# Altium PCB SNES TST.PcbDoc (part 2 of 3) (continued)
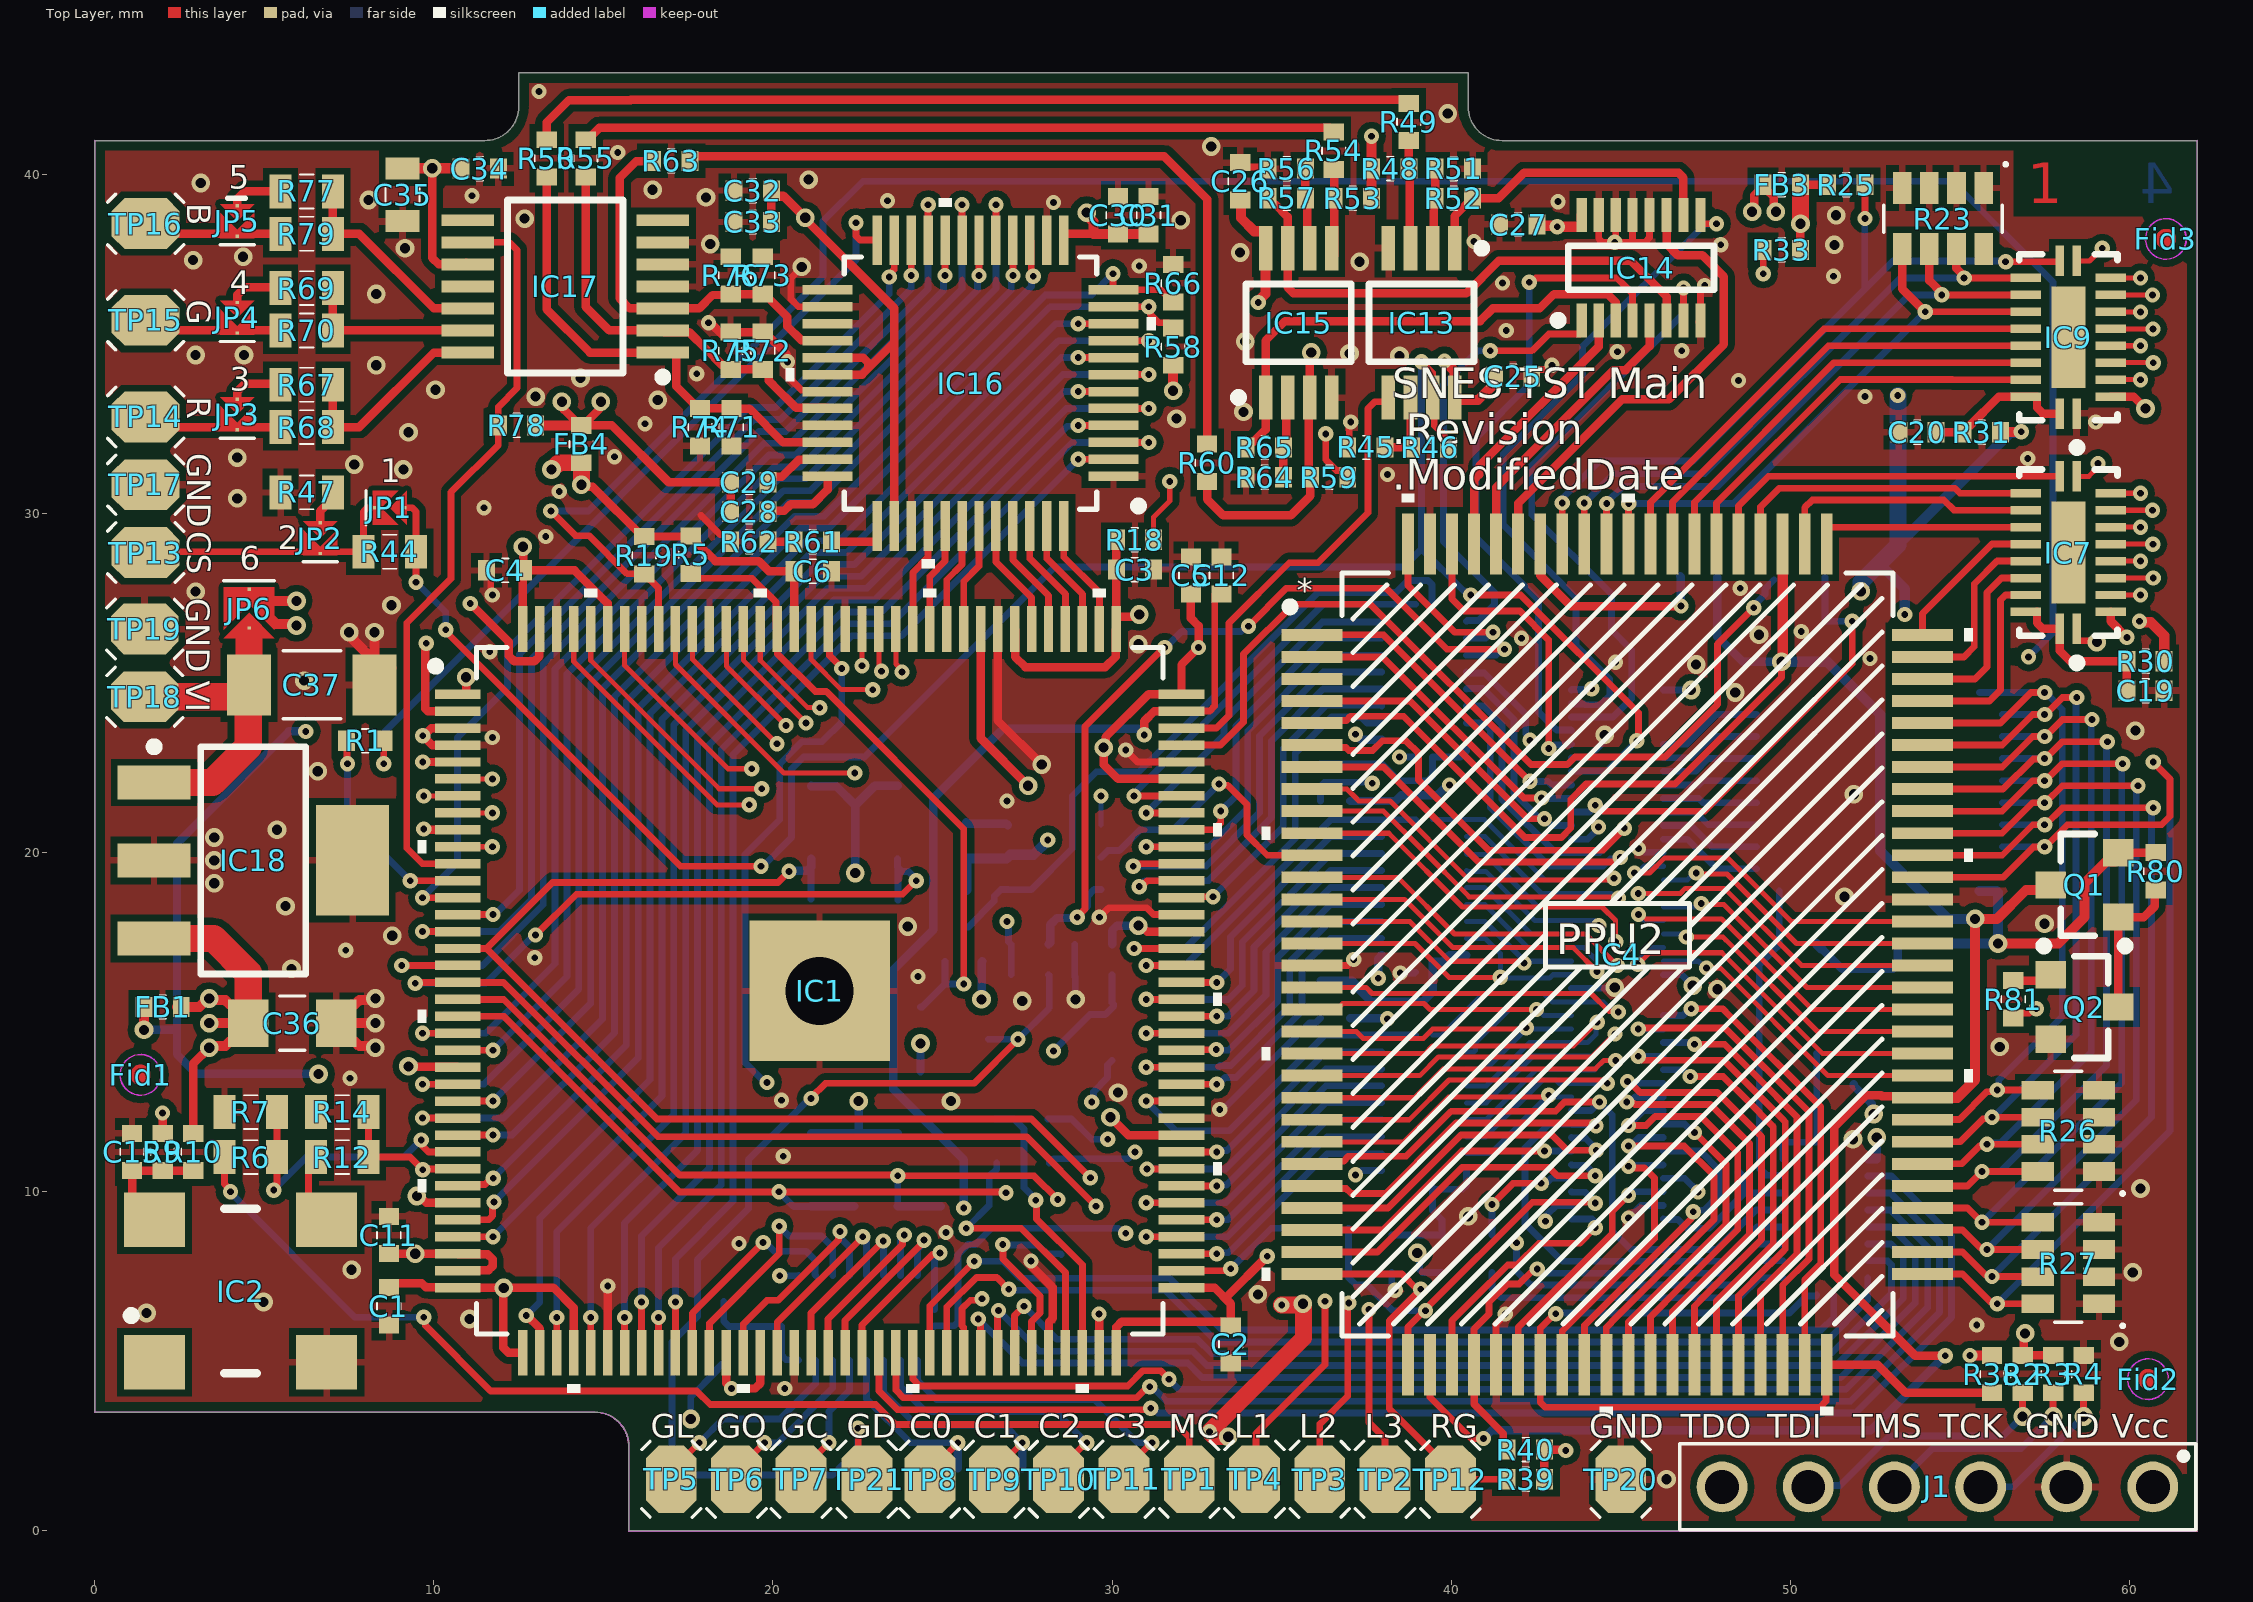
[diagram p0: Top Layer view]
## Nets (pads, with @x,y where several pads share a name; then routed paths per layer and width w, separated by ;. In a path a pad name is that pad's centre, name@x,y a point inside that pad or via, vN(x,y) a via of type N, cw(c..) or ccw(c..) an arc to the next point about the centre after c; other vN are vias at no path point) (continued)
  Bottom Layer w0.2: IC10.15@40.45,25.325 40.475,25.3 40.975,25.3 42.2,24.075 42.2,23.506 42.325,23.381 v1(42.325,23.313) ; v1(45.225,9.9) 45.293,9.9 45.393,10 J2.75@46.255,10
GAMP: IC14.6 IC15.7 R57.1 | length 15.6
  Top Layer w0.25: R57.1@34.65,39.275 34.65,39.25 34.775,39.125 34.8,39.125 35.175,38.75 35.175,36.671 35.346,36.5 40.45,36.5 41.4,37.45 45.3,37.45 46.35,36.4 IC14.6@46.35,35.752
GDAC: IC16.32 IC17.2 R55.2 R72.2 R75.2 | length 12.3
  Top Layer w0.25: R55.2@14.475,39.925 14.475,36.098 15.173,35.4 IC17.2@16.75,35.4 16.8,35.35 17.53,35.35 18.025,34.855 18.505,34.375 18.575,34.375 18.675,34.275 R75.2@18.675,34.205 ; R75.2@18.75,34.25 19.794,34.25 19.875,34.169 19.875,33.924 19.99,33.809 20.684,33.115 21.594,33.115 IC16.32@21.609,33.1
GDIG1: IC1.46 IC16.2 | length 33.2
  Top Layer w0.2: IC1.46@17.125,5.253 v1(17.125,6.75) ; v1(29,31.6) IC16.2@30.041,31.6
  Bottom Layer w0.2: v1(17.125,6.75) 17.125,8.025 18.825,9.725 18.825,22.9 22.325,26.4 23.8,26.4 v1(29,31.6)
GDIG2: IC1.45 IC16.3 | length 36
  Top Layer w0.2: IC1.45@16.625,5.253 v1(16.625,6.295) ; IC16.3@30.041,32.1 v1(31.083,32.1)
  Bottom Layer w0.2: v1(16.625,6.295) 16.625,8.35 18.475,10.2 18.475,21.75 18.475,23.045 22.18,26.75 23.475,26.75 28.825,32.1 v1(31.083,32.1)
GDIG3: IC1.44 IC16.4 | length 34.6
  Top Layer w0.2: IC1.44@16.125,5.253 v1(16.125,6.75) ; v1(29,32.6) IC16.4@30.041,32.6
  Bottom Layer w0.2: v1(16.125,6.75) 16.125,8.7 18.125,10.7 18.125,22.025 18.125,23.19 22.035,27.1 23.2,27.1 28.679,32.579 28.979,32.579 v1(29,32.6)
GDIG4: IC1.43 IC16.5 | length 37.4
  Top Layer w0.2: IC1.43@15.625,5.253 v1(15.625,6.295) ; IC16.5@30.041,33.1 v1(31.083,33.1)
  Bottom Layer w0.2: v1(15.625,6.295) 15.625,9.075 17.775,11.225 17.775,23.425 21.8,27.45 23,27.45 28.65,33.1 v1(31.083,33.1)
GDIG5: IC1.41 IC16.6 | length 36.3
  Top Layer w0.2: IC1.41@14.625,5.253 v1(14.625,6.295) ; v1(29,33.6) IC16.6@30.041,33.6
  Bottom Layer w0.2: v1(14.625,6.295) 14.625,8.925 17.425,11.725 17.425,23.6 21.625,27.8 22.775,27.8 28.575,33.6 v1(29,33.6)
GDIG6: IC1.39 IC16.7 | length 39.3
  Top Layer w0.2: IC1.39@13.625,5.253 v1(13.625,6.295) ; IC16.7@30.041,34.1 v1(31.083,34.1)
  Bottom Layer w0.2: v1(13.625,6.295) 13.625,8.825 17.075,12.275 17.075,22.625 17.075,23.775 21.45,28.15 22.6,28.15 28.55,34.1 v1(31.083,34.1)
GDIG7: IC1.38 IC16.8 | length 38.2
  Top Layer w0.2: v1(29,34.6) IC16.8@30.041,34.6
  Top Layer w0.25: v1@12.725,6.365 13.125,5.965 IC1.38@13.125,5.253
  Bottom Layer w0.2: v1(12.725,6.35) 13.125,6.75 13.125,9.225 16.725,12.825 16.725,22.825 16.725,23.925 21.3,28.5 22.4,28.5 28.5,34.6 v1(29,34.6)
GDIG8: IC1.33 IC16.9 | length 38.7
  Top Layer w0.2: IC1.33@10.703,8.675 v1(11.745,8.675) ; IC16.9@30.041,35.1 v1(31.083,35.1)
  Bottom Layer w0.2: v1(11.745,8.675) 16.375,13.305 16.375,14.035 16.375,23.05 16.375,24.105 21.12,28.85 22.175,28.85 28.425,35.1 v1(31.083,35.1)
GDIG9: IC1.32 IC16.10 | length 36.5
  Top Layer w0.2: IC1.32@10.703,9.175 11.61,9.175 11.727,9.292 11.727,9.652 v1(11.775,9.7) ; v1(29,35.6) IC16.10@30.041,35.6
  Bottom Layer w0.2: v1(11.775,9.7) 16.025,13.95 16.025,14.18 16.025,24.25 20.975,29.2 21.95,29.2 28.35,35.6 v1(29,35.6)
GND: C1.2 C2.2 C3.2 C4.2 C5.2 C6.2 C7.2 C8.2 C9.2 C10.2 C11.2 C12.2 C13.2 C14.2 C15.2 C17.2 C18.2 C19.2 C20.2 C21.2 C22.1 C23.1 C24.2 C25.2 C26.2 C27.2 C30.1 C31.1 C32.1 C33.1 C34.1 C35.1 C36.1 C37.1 IC1.3 IC1.4 IC1.42 IC1.53 IC1.63 IC1.68 IC1.83 IC1.95 IC1.104 IC1.116 IC1.125 IC1.133 IC1.137 IC1.142 IC1.EPAD IC2.2 IC4.16 IC4.35 IC4.68 IC4.99 IC5.10 IC5.19 IC6.1 IC7.1 IC8.1 IC9.1 IC10.1 IC11.1 IC12.1 IC13.4 IC14.8 IC14.12 IC14.13 IC14.14 IC14.15 IC15.4 IC16.1 IC16.14 IC16.25 IC16.26 IC16.27 IC16.31 IC16.33 IC16.39 IC17.4 IC17.5 IC17.6 IC18.2 J1.2 J2.12 J2.25 J2.46 J2.77 Q2.E R4.2 R7.2 R14.2 R16.2 R17.1 R21.2 R23.1 R23.2 R23.3 R23.4 R26.1 R26.2 R26.3 R26.4 R27.1 R27.2 R27.3 R27.4 R41.1 R42.1 R43.2 R45.1 R47.1 R51.1 R56.1 R62.2 R64.2 R66.1 R71.1 R72.1 R73.1 R74.1 R75.1 R76.1 TP17.1 TP19.1 TP20.1 | length 60.3
  Top Layer w0.2: C4.2@11.55,28.325 11.677,28.198 11.677,27.648 v1(11.725,27.6) ; 17.875,29.95 18.45,29.375 18.6,29.375 18.75,29.225 R62.2@18.75,29.175 ; v1(20.425,34.475) 20.473,34.427 20.473,34.011 20.845,33.64 21.569,33.64 IC16.31@21.609,33.6 ; v2(20.85,37.275) 20.525,36.95 20.525,36.325 20.75,36.1 IC16.26@21.609,36.1 ; IC1.63@25.625,5.253 25.625,6 25.576,6.049 25.576,6.554 25.825,6.802 26.116,6.802 v1(26.164,6.85) ; v1(29.625,18.1) 29.9,18.375 31.025,18.375 31.225,18.175 IC1.95@32.047,18.175 ; v1(30.4,23.026) v1(30.4,23.026) 30.753,22.675 IC1.104@32,22.675 ; C26.2@33.8,40.375 33.85,40.375 34,40.225 R56.1@34.65,40.225 ; IC4.16@35.9,16.675 36.95,16.675 v1(37.125,16.85) ; R45.1@36.95,31.95 36.993,31.993 36.993,32.661 v1(37.036,32.704) ; IC4.35@41.325,4.9 41.325,6.1 41.594,6.369 v1(41.594,6.4) ; C25.2@42.375,34.05 42.375,34.1 42.525,34.25 42.782,34.25 42.907,34.375 v1(42.975,34.375) ; IC14.15@44.35,38.8 44.35,38.117 44.467,38 v1(44.825,38) ; IC14.14@44.85,38.8 44.85,38 45.35,38 ; IC14.13@45.35,38.8 45.35,38 ; IC14.12@45.85,38.8 45.85,38.138 45.712,38 45.35,38 ; IC14.8@47.3,35.65 IC14.8@47.35,35.7 47.35,36.532 47.475,36.657 v1(47.475,36.725) ; IC7.1@58.45,26.6 58.45,26.275 58.475,26.25 59,26.25 v2(59.039,26.211)
  Top Layer w0.25: IC1.4@10.703,23.175 9.95,23.175 v1(9.675,23.45) 9.7,23.45 9.925,23.675 IC1.3@10.703,23.675 ; IC1.42@15.125,5.253 v1(15.125,7.225) ; v1(18.095,35.629) 18.149,35.629 18.541,35.238 R75.1@18.662,35.238 ; R75.1@18.75,35.35 R72.1@19.7,35.35 19.75,35.35 20.412,34.688 20.412,34.488 v1(20.425,34.475) ; IC1.116@26.625,26.597 26.625,23.9 v2(27.925,22.6) ; v1(27.611,7.96) 27.65,7.922 27.65,7.781 28.25,7.18 28.25,6.273 28.14,6.163 28.14,5.268 IC1.68@28.125,5.253
  Top Layer w0.3: v2(7.5,26.5) 7.623,26.377 7.623,26.275 8.25,25.648 C37.1@8.25,24.95 C37.1@8.75,25.45 ; C37.1@8.25,25.75 v2(8.25,26.5) ; v2(8.275,14.25) 8.227,14.298 7.802,14.298 7.675,14.425 7.575,14.425 7.125,14.875 C36.1@7.125,14.975 ; v2(8.275,14.975) C36.1@7.125,14.975 ; v2(8.275,15.7) 8.227,15.652 7.802,15.652 7.675,15.525 7.575,15.525 7.125,15.075 C36.1@7.125,14.975
  Bottom Layer w0.2: R17.1@28.9,16.35 28.912,16.338 28.912,15.687 v2(28.925,15.675) ; R17.1@28.9,16.4 C13.2@28.9,17.3 ; v1(33.175,12.425) 33.275,12.425 35.825,14.975 36,14.975 C21.2@36.15,15.125 ; C22.1@36.15,21.525 36.15,21.958 36.267,22.075 v1@37.55,22.075 ; C18.2@38.25,7.625 38.25,7.256 38.352,7.154 v1(38.352,7.1) ; v1(38.475,22.825) IC10.1@38.95,22.825 ; v1(38.5,16.45) 38.925,16.45 IC8.1@38.95,16.475 ; J2.46@43.545,16 44.8,16 v2(44.825,16.025) ; J2.12@43.545,22.8 44.025,22.8 44.458,23.233 44.458,23.383 44.525,23.45 v2(44.525,23.475) ; v1(45.225,9.225) 45.6,9.6 J2.77@46.255,9.6 ; v1(45.525,20.125) 45.593,20.125 45.703,20.015 46.24,20.015 J2.25@46.255,20
  other v1: 20.35,4.2 55.5,6.075 19,8.475 25.1,8.8 20.3,11.05 20.25,12.7 7.525,13.35 24.275,16.35 12.975,16.9 7.4,17.125 26.9,21.525 37.675,22.05 11.725,23.4 44.848,25.616 52.35,25.725 11.65,25.925 42.075,26.325 50.325,26.525 48.525,27.8 13.3,29.325 11.475,30.175 13.7,30.65 38.125,31.15 57,31.625 15.325,31.675 16.225,32.65 59.006,32.703 52.2,33.45 48.475,33.925 17.75,34.125 44.9,34.775 46.8,34.8 41.625,35.4 41.514,36.803 51.275,37 30.8,37.3 47.952,37.927 40.675,38.025 28.275,39.175 43.15,39.2 23.375,39.225 11.125,39.375 15.425,40.65 13.1,42.45
  other v2: 46.35,1.525 59.7,5.575 11.05,6.25 1.525,6.425 4.975,6.75 34.3,6.975 60.1,7.625 7.575,7.7 40.5,9.275 60.325,10.1 51.85,11.55 25.25,12.675 30.175,12.925 56.175,14.275 27.35,15.625 47.85,15.975 5.8,16.575 8.775,17.55 23.975,17.825 57.494,17.906 5.625,18.425 51.6,18.7 3.525,19.1 3.525,19.775 3.525,20.45 5.375,20.675 51.875,21.725 6.575,22.4 60.175,23.6 48.375,24.725 6.175,25.075 47.224,25.549 30.775,26.15 49.075,26.425 8.75,27.3 2.975,27.7 4.2,30.45 9.1,31.3 7.65,31.45 4.2,31.65 9.25,32.4 31.9,32.8 33.875,33 16.6,33.35 13,33.45 10.05,33.65 14.325,34 8.3,34.375 38.475,34.65 2.975,34.675 4.4,34.675 37,34.725 33.925,35.075 8.3,36.475 37.3,37.425 2.9,37.475 4.375,37.575 33.775,37.7 9.15,37.825 51.3,37.925 18.15,37.95 32.025,38.65 12.675,38.7 51.35,38.8 8.075,39.25 18.025,39.325 16.45,39.55 3.125,39.75 21.05,39.85 32.925,40.825 39.9,41.8
GPPU: IC4.96 IC14.5 | length 8.7
  Top Layer w0.25: IC4.96@41.325,29.1 41.325,30.775 44.782,34.232 45.142,34.232 45.85,34.94 IC14.5@45.85,35.7
GREEN: JP4.1 R70.2 TP15.1 | length 3.6
  Top Layer w0.25: TP15.1@1.875,35.475 1.95,35.4 R70.2@5.475,35.4
GSYS: IC14.7 J2.6 | length 18.1
  Top Layer w0.2: IC14.7@46.85,35.7 46.852,35.702 v1(46.852,36.652)
  Bottom Layer w0.2: J2.6@43.545,24 44.775,24 45.323,24.548 45.323,25.977 44.725,26.575 44.725,27.625 42.375,29.975 42.375,31.425 46.852,35.902 v1(46.852,36.652)
HBLANK3V: IC1.60 IC12.5 | length 36.2
  Top Layer w0.2: IC1.60@24.125,5.253 24.125,4.475 24.325,4.275 30.463,4.275 30.913,4.725 31.426,4.725 v1(31.676,4.475)
  Bottom Layer w0.2: v1(31.676,4.475) 31.976,4.175 51.635,4.175 54.05,6.59 54.05,8.375 52.96,9.465 IC12.5@52.282,9.465
HBLANK5V: IC4.25 IC12.16 J2.64 | length 19.9
  Top Layer w0.2: IC4.25@35.9,10.825 35.975,10.9 36.825,10.9 36.975,11.05 38.675,11.05 40,12.376 43.074,12.376 43.345,12.647 v1(44.372,12.647)
  Bottom Layer w0.2: J2.64@43.545,12.4 44.125,12.4 44.4,12.675 44.4,12.618 44.75,12.268 44.75,8.85 45.3,8.3 47.825,8.3 48.99,9.465 IC12.16@49.782,9.465
HCLD: IC4.39 J2.69 | length 9.4
  Top Layer w0.2: IC4.39@43.933,4.9 43.933,6.063 47.09,9.22 47.09,9.361 v1(47.137,9.409)
  Bottom Layer w0.2: J2.69@46.255,11.2 47.35,11.2 47.9,10.65 47.9,9.9 47.457,9.457 47.185,9.457 v1(47.137,9.409)
HVC: IC4.98 J2.10 | length 8.9
  Top Layer w0.2: IC4.98@40.025,29.1 40.025,27.478 40.378,27.125 42.025,27.125 42.876,26.274 v1(42.876,23.075)
  Bottom Layer w0.2: v1(42.876,23.075) 42.943,23.075 43.053,23.185 43.53,23.185 J2.10@43.545,23.2
LED1: IC1.69 R13.2 | length 8.1
  Top Layer w0.2: v1(25.7,8.925) 27.319,8.925 28.625,7.619 IC1.69@28.625,5.253
  Bottom Layer w0.2: v1(25.7,8.925) 26.375,9.6 26.375,10.45 26.6,10.675 R13.2@26.6,10.85
LED2: IC1.70 R11.2 | length 8.3
  Top Layer w0.2: v1(27.751,9.753) 27.773,9.73 27.773,9.202 29.125,7.85 IC1.70@29.125,5.253
  Bottom Layer w0.2: R11.2@26.55,12.15 R11.2@26.6,12.15 27.1,12.15 27.4,11.85 27.4,10.121 27.751,9.771 v1(27.751,9.753)
LED3: IC1.126 R8.2 R17.2 | length 27.4
  Top Layer w0.2: IC1.126@21.625,26.597 21.665,26.557 21.665,25.81 v1@22.029,25.446
  Power Layer w0.2: v1(19.825,13.225) 27.35,13.225 v1(28.275,14.15)
  Bottom Layer w0.2: v1(19.825,13.225) 19.759,13.225 19.175,13.809 19.175,19.95 20.2,20.975 20.2,22.62 20.855,23.275 21.45,23.275 22.029,23.854 v1(22.029,25.432) ; v1(28.275,14.15) 29.35,15.225 29.8,15.225 30.05,15.475 R8.2@30.05,15.525 ; R8.2@30,15.575 R17.2@30,16.4
MCLKO: IC4.31 J2.76 R20.1 R21.1 | length 13.2
  Top Layer w0.2: IC4.31@38.725,4.9 38.725,6.01 v1@39.226,6.51 ; v1(39.241,6.495) 39.241,6.541 42.39,9.69 44.226,9.69 v1(44.25,9.666)
  Bottom Layer w0.2: R20.1@36.975,8.925 R21.1@36.975,7.65 36.975,7.475 37.2,7.25 37.53,7.25 37.877,6.904 ; 37.877,6.904 38.289,6.492 39.237,6.492 v1(39.241,6.495) ; J2.76@43.545,10 43.56,9.985 43.959,9.985 44.25,9.694 v1(44.25,9.666)
MCLKO3V: IC1.74 R20.2 | length 4
  Top Layer w0.2: IC1.74@32.047,7.675 33.443,7.675 v1(33.496,7.729) 33.496,7.696 v1@33.475,7.675
  Bottom Layer w0.2: v1(33.496,7.729) 34.693,8.925 R20.2@35.425,8.925
MCLKOSC: IC1.29 R12.1 R14.1 | length 4.1
  Top Layer w0.2: R14.1@8.075,12.35 R12.1@8.075,11.025 9.3,11.025 v1(9.675,10.65) v1@9.688,10.663 ; v1@9.7,10.675 IC1.29@10.703,10.675
MCLKSYS: IC1.28 R6.1 R7.1 | length 8.4
  Top Layer w0.2: v1(5.275,10.05) 5.275,10.118 5.375,10.218 R6.1@5.375,11.025 R7.1@5.375,12.35 ; v1@9.673,11.34 9.838,11.175 IC1.28@10.703,11.175
  Bottom Layer w0.2: v1(5.275,10.05) 6.248,11.023 9.123,11.023 v1(9.625,11.526)
MCLKSYS5V: R6.2 TP1.1 | length 33.7
  Top Layer w0.2: R6.2@3.825,11.025 3.825,10.233 4,10.058 v1(4,10) ; v1(9.7,6.3) 9.748,6.252 9.748,6.052 11.675,4.125 17.75,4.125 18.15,3.725 23.03,3.725 23.614,3.141 31.884,3.141 32.275,2.75 TP1.1@32.275,1.525
  Bottom Layer w0.2: v1(4,10) 4,9.975 7.675,6.3 v1(9.7,6.3)
MD7PAT3V: IC1.58 IC12.3 | length 39.8
  Top Layer w0.2: IC1.58@23.125,5.253 23.125,4.125 23.675,3.575 31.101,3.575 v1(31.141,3.616)
  Bottom Layer w0.2: v1(31.141,3.616) 31.209,3.616 31.35,3.475 51.925,3.475 54.75,6.3 54.75,8.7 52.985,10.465 IC12.3@52.282,10.465
MD7PAT5V: IC5.1 IC12.18 R24.2 | length 9.2
  Bottom Layer w0.2: IC5.1@49.675,18.875 49.675,17.275 49.525,17.125 49.082,16.682 49.082,10.709 49.301,10.49 49.757,10.49 IC12.18@49.782,10.465
NetC15_1: C15.1 IC2.4 R9.2 R10.2 | length 3.4
  Top Layer w0.25: C15.1@1.1,10.625 1.1,9.835 IC2.4@1.76,9.175 ; C15.1@1.175,10.625 R9.2@2,10.625 R10.2@2.9,10.625
NetC16_2: C16.2 IC3.3 | length 1.3
  Bottom Layer w0.25: C16.2@25.7,20.9 25.743,20.857 26.88,20.857 IC3.3@26.923,20.814
NetC18_1: C18.1 IC6.19 IC6.20 R29.1 | length 4.5
  Bottom Layer w0.2: C18.1@38.25,8.725 R29.1@39.725,8.725 39.725,9.175 39.45,9.45 IC6.20@39.45,10.1 ; IC6.20@39.45,10.125 IC6.20@39.45,10.1 ; IC6.19@40.45,10.625 40.45,10.192 40.333,10.075 39.475,10.075 IC6.20@39.45,10.1
NetC19_1: C19.1 IC7.19 IC7.20 R30.1 | length 5
  Top Layer w0.25: IC7.19@57.275,27.1 57.275,26.775 57.45,26.6 IC7.20@57.95,26.6 ; IC7.20@57.95,26.903 57.95,25.95 58.25,25.65 R30.1@59.925,25.65 59.925,25.531 C19.1@59.925,24.775
NetC20_1: C20.1 IC9.19 IC9.20 R31.1 | length 4.5
  Top Layer w0.25: C20.1@54.3,32.4 R31.1@55.1,32.4 55.1,32.45 55.225,32.575 55.275,32.575 56.15,33.45 57.275,33.45 57.275,33.125 57.45,32.95 IC9.20@57.95,32.95
NetC21_1: C21.1 IC8.19 IC8.20 R32.1 | length 5.7
  Bottom Layer w0.25: C21.1@36.15,16.225 37.075,16.225 37.2,16.1 37.2,16.05 37.65,15.6 39.15,15.6 39.45,15.9 IC8.20@39.45,16.475 39.45,16.778 39.753,16.778 39.95,16.975 IC8.19@40.45,16.975
NetC22_2: C22.2 IC10.19 IC10.20 R35.2 | length 5.5
  Bottom Layer w0.2: C22.2@36.15,22.625 R35.2@37.025,22.625 37.95,22.625 38.45,22.125 39.316,22.125 39.45,22.259 39.45,22.825 40.275,22.825 40.45,23 IC10.19@40.45,23.325
NetC23_2: C23.2 IC11.19 IC11.20 R36.2 | length 3.8
  Bottom Layer w0.2: C23.2@18.55,6.775 18.55,6.182 18.703,6.029 20.256,6.029 IC11.20@20.26,6.033 20.26,5.167 20.377,5.05 20.743,5.05 IC11.19@20.76,5.033
NetC24_1: C24.1 IC12.19 IC12.20 R37.1 | length 4
  Bottom Layer w0.2: IC12.19@49.782,10.965 49.782,11.348 49.899,11.465 IC12.20@50.782,11.465 50.779,11.469 50.779,14.072 C24.1@50.775,14.075
NetC28_2: C28.2 IC16.36 | length 2.4
  Top Layer w0.25: C28.2@19.85,30.05 19.879,30.079 20.329,30.079 20.525,30.275 21.175,30.275 21.609,30.709 IC16.36@21.609,31.1
NetC29_2: C29.2 IC16.35 | length 2.1
  Top Layer w0.25: C29.2@19.85,30.925 19.85,30.965 19.975,31.09 20.265,31.09 20.76,31.585 21.594,31.585 IC16.35@21.609,31.6
NetIC1_12: IC1.12 R1.1 | length 6.3
  Top Layer w0.2: R1.1@7.425,23.3 7.438,23.287 7.438,22.637 v1(7.45,22.625) ; v1(9.3,19.176) IC1.12@10.703,19.175 IC1.12@10.703,19.175
  Bottom Layer w0.2: v1(7.45,22.625) 7.45,21.026 v1(9.3,19.176)
NetIC2_3: IC2.3 R12.2 | length 2.1
  Top Layer w0.2: R12.2@6.3,11.025 6.3,10.161 6.303,10.158 6.303,9.712 IC2.3@6.84,9.175
NetIC13_2: IC13.2 R51.2 R52.1 | length 2.5
  Top Layer w0.25: R51.2@39.446,40.26 39.525,40.181 R52.1@39.525,39.3 39.488,39.262 39.488,37.863 IC13.2@39.45,37.825
NetIC13_3: IC13.3 R48.1 R49.1 | length 3.2
  Top Layer w0.25: R49.1@38.75,41 38.75,40.2 38.775,40.175 IC13.3@38.775,37.85
NetIC13_6: IC13.6 R45.2 R46.2 | length 2.3
  Top Layer w0.25: R45.2@38.05,31.95 38.1,31.9 38.15,31.9 38.2,31.95 R46.2@38.8,31.95 ; IC13.6@38.8,33.425 38.8,32 R46.2@38.85,31.95
NetIC15_2: IC15.2 R64.1 R65.1 | length 2.4
  Top Layer w0.25: R64.1@35.05,31.075 R65.1@35.05,31.95 ; R65.1@35.1,31.95 35.137,31.988 35.137,33.387 IC15.2@35.175,33.425
NetIC15_3: IC15.3 R59.1 R60.1 | length 8
  Top Layer w0.25: R60.1@32.8,30.95 32.8,30.425 33.275,29.95 35.275,29.95 35.85,30.525 R59.1@35.85,30.775 ; R59.1@35.85,31.075 35.802,31.123 35.802,33.402 IC15.3@35.825,33.425 35.825,34.7 v2(35.875,34.75)
NetIC15_5: IC15.5 R53.1 R54.1 | length 2.8
  Top Layer w0.25: IC15.5@36.475,37.525 36.55,37.6 IC15.5@36.55,37.9 ; IC15.5@36.475,37.825 IC15.5@36.55,37.9 ; R54.1@36.539,40.079 R54.1@36.539,40.154 36.55,40.143 36.55,39.325 36.55,38.65 36.55,38.196 IC15.5@36.55,37.9
NetIC15_6: IC15.6 R56.2 R57.2 | length 2.1
  Top Layer w0.25: R57.2@35.7,39.333 R56.2@35.7,40.225 ; R57.2@35.75,39.325 35.75,38.35 35.803,38.297 IC15.6@35.803,38.196 ; R57.2@35.75,39.333 R57.2@35.761,39.322
NetIC16_37: IC16.37 R61.1 | length 1.8
  Top Layer w0.25: R61.1@21.725,29.175 23.06,29.175 23.075,29.19 IC16.37@23.075,29.634
NetIC17_12: IC17.12 R77.1 R79.1 | length 6
  Top Layer w0.25: R79.1@7.025,38.25 7.8,38.25 10,36.05 IC17.12@11,36.05 ; R79.1@7.025,38.49 R77.1@7.025,39.65
NetIC17_13: IC17.13 R69.1 R70.1 | length 5.2
  Top Layer w0.25: R70.1@7.025,35.4 8.975,35.4 IC17.13@11,35.4 ; R70.1@7.025,35.65 R69.1@7.025,36.9
NetIC17_14: IC17.14 R67.1 R68.1 | length 6.1
  Top Layer w0.25: R68.1@7.025,32.55 7.8,32.55 10,34.75 IC17.14@11,34.75 ; R68.1@7.025,32.9 R67.1@7.025,34.15
NetJ2_74: J2.74 R28.2 | length 3.6
  Top Layer w0.2: v1(41.2,9.625) 41.825,10.251 v1(42.652,10.251)
  Bottom Layer w0.2: R28.2@41.2,8.725 v1(41.2,9.625) ; v1(42.652,10.251) 42.7,10.251 42.725,10.276 42.825,10.276 42.942,10.392 ; 42.95,10.4 J2.74@43.545,10.4
NetJP1_1: JP1.1 JP2.1 R44.2 TP13.1 | length 7.5
  Top Layer w0.2: TP13.1@2.03,28.875 R44.2@7.925,28.875 7.925,30.058 8.042,30.175 JP1.1@8.25,30.175
NetJP2_2: JP2.2 R47.2 | length 1.1
  Top Layer w0.25: JP2.2@6.65,29.725 6.65,30.075 6.825,30.25 7.025,30.45 R47.2@7.025,30.625
NetJP3_2: JP3.2 R67.2 | length 1.6
  Top Layer w0.25: JP3.2@4.2,33.375 4.2,33.6 4.425,33.825 5.475,33.825 R67.2@5.475,33.8
NetJP4_2: JP4.2 R69.2 | length 1.6
  Top Layer w0.25: JP4.2@4.2,36.225 4.2,36.45 4.425,36.675 5.475,36.675 R69.2@5.475,36.65
NetJP5_2: JP5.2 R77.2 | length 1.6
  Top Layer w0.25: JP5.2@4.2,39.05 4.2,39.275 4.425,39.5 R77.2@5.475,39.5
NetQ1_G: Q1.G Q2.C R80.2 | length 4.3
  Top Layer w0.25: Q2.C@59.675,15.45 Q1.G@59.675,18.1 60.425,18.1 60.746,18.421 60.746,18.871 R80.2@60.775,18.9
NetQ2_B: Q2.B R81.2 | length 1.5
  Top Layer w0.25: R81.2@56.575,16.225 57.825,16.225 Q2.B@58,16.4
NetR8_1: R8.1 TP2.1 | length 20.2
  Top Layer w0.2: v1(37.577,6.532) 37.577,3.198 38.05,2.725 TP2.1@38.05,1.525
  Power Layer w0.2: v1@29.35,12.65 29.35,11.124 30.125,10.349 30.125,9.883 30.858,9.15 31.381,9.15 31.7,8.831 31.7,7.667 33.917,5.45 36.402,5.45 37.483,6.532 v1(37.577,6.532)
  Bottom Layer w0.2: v1(29.4,12.65) 29.448,12.698 29.448,12.948 29.867,13.367 29.867,13.742 R8.1@30,13.875
NetR11_1: R11.1 TP3.1 | length 18.7
  Top Layer w0.2: TP3.1@36.125,1.525 36.125,3.15 36.95,3.975 36.95,6.696 v1(36.977,6.722)
  Power Layer w0.2: v1(29.875,11.55) 29.875,11.155 30.83,10.201 30.88,10.15 31.375,10.15 32.075,9.45 32.075,7.787 34.046,5.815 36.203,5.815 36.977,6.589 v1(36.977,6.722)
  Bottom Layer w0.2: R11.1@28.1,12.15 R11.1@28.15,12.15 28.8,12.15 29.4,11.55 v1(29.875,11.55)
NetR13_1: R13.1 TP4.1 | length 17.9
  Top Layer w0.2: TP4.1@34.2,1.525 34.242,1.567 34.242,2.867 36.277,4.902 v1(36.277,6.775)
  Power Layer w0.2: v1(30.676,11.175) 31.199,11.175 32.45,9.924 32.45,8.014 34.298,6.165 35.834,6.165 36.277,6.608 v1(36.277,6.775)
  Bottom Layer w0.2: R13.1@28.15,10.85 28.277,10.977 30.478,10.977 v1(30.676,11.175)
NetR49_2: R49.2 R50.1 | length 26.3
  Top Layer w0.25: R50.1@13.325,41.025 13.325,41.537 13.985,42.196 15.799,42.196 15.802,42.2 38.65,42.2 R49.2@38.75,42.1
NetR54_2: R54.2 R55.1 | length 22.3
  Top Layer w0.25: R55.1@14.475,41.025 14.525,41.025 14.875,41.375 36.418,41.375 R54.2@36.539,41.254
NetR60_2: R60.2 R63.1 | length 23.1
  Top Layer w0.25: R63.1@17.55,40.4 17.55,40.41 17.675,40.535 31.54,40.535 32.8,39.275 R60.2@32.8,32.05
NetR61_2: R61.2 R62.1 | length 0.8
  Top Layer w0.25: R62.1@19.85,29.175 R61.2@20.625,29.175
OVER13V: IC1.57 IC11.10 | length 5.7
  Top Layer w0.2: IC1.57@22.625,5.253 22.625,6.075 24.702,8.152 24.877,8.152 v1(24.925,8.2)
  Bottom Layer w0.2: IC11.10@24.76,6.533 24.76,8.035 v1(24.925,8.2)
OVER15V: IC11.11 J2.73 | length 31.4
  Power Layer w0.2: v1(30.401,8.775) 30.401,8.47 33.972,4.9 44,4.9 47.65,8.55 47.65,9.618 v1(47.275,9.993)
  Bottom Layer w0.2: IC11.11@24.76,6.033 24.776,6.049 25.343,6.049 25.46,6.167 25.46,8.156 25.754,8.45 25.975,8.45 26.45,8.925 30.184,8.925 30.334,8.775 v1(30.401,8.775) ; J2.73@46.255,10.4 46.885,10.4 47.275,10.01 v1(47.275,9.993)
OVERPAT3V: IC1.61 IC12.10 | length 30.2
  Top Layer w0.2: IC1.61@24.625,5.253 24.625,6.64 v1(25.935,7.95)
  Bottom Layer w0.2: v1@25.955,7.95 26.798,7.95 27.298,7.45 31.711,7.45 33.237,5.925 50.91,5.925 51.282,6.297 IC12.10@51.282,6.965
OVERPAT5V: IC4.37 IC4.50 IC12.11 R38.2 | length 25.4
  Top Layer w0.2: v1(43.086,6.402) 43.048,6.402 42.629,5.983 42.629,4.904 42.625,4.9 42.625,3.8 42.78,3.645 50.87,3.645 51.05,3.825 51.05,4.875 IC4.50@51.075,4.9
  Top Layer w0.25: IC4.50@51.075,4.9 52.575,4.9 53.4,4.075 R38.2@55.95,4.075
  Bottom Layer w0.2: v1@43.26,6.428 49.978,6.428 50.474,6.924 50.757,6.924 50.782,6.949 IC12.11@50.782,6.965
PA3V0: IC1.75 IC6.3 | length 7.1
  Top Layer w0.2: IC1.75@32.047,8.175 v1(33.088,8.175)
  Bottom Layer w0.2: v1(33.088,8.175) 33.116,8.204 33.429,8.204 36.35,11.125 IC6.3@37.95,11.125
PA3V1: IC1.76 IC6.4 | length 9.2
  Top Layer w0.2: v1(31.005,8.675) IC1.76@32.047,8.675
  Bottom Layer w0.2: v1(31.005,8.675) 33.405,8.675 36.355,11.625 37.15,11.625 IC6.4@37.95,11.625
PA3V2: IC1.77 IC6.5 | length 7.1
  Top Layer w0.2: IC1.77@32.047,9.175 v1(33.088,9.175)
  Bottom Layer w0.2: v1(33.088,9.175) 33.4,9.175 36.35,12.125 IC6.5@37.95,12.125
PA3V3: IC1.78 IC6.6 | length 9.2
  Top Layer w0.2: v1(31.005,9.675) IC1.78@32.047,9.675
  Bottom Layer w0.2: v1(31.005,9.675) 33.35,9.675 36.3,12.625 IC6.6@37.95,12.625
PA3V4: IC1.79 IC6.7 | length 7.1
  Top Layer w0.2: IC1.79@32.047,10.175 v1(33.088,10.175)
  Bottom Layer w0.2: v1(33.088,10.175) 33.11,10.198 33.373,10.198 36.3,13.125 IC6.7@37.95,13.125
PA3V5: IC1.80 IC6.8 | length 9.2
  Top Layer w0.2: v1(31.027,10.676) IC1.80@32.047,10.675
  Bottom Layer w0.2: v1(31.027,10.676) 33.351,10.676 36.3,13.625 IC6.8@37.95,13.625
PA3V6: IC1.81 IC6.9 | length 7.1
  Top Layer w0.2: IC1.81@32.047,11.175 v1(33.088,11.175)
  Bottom Layer w0.2: v1(33.088,11.175) 33.128,11.215 33.39,11.215 36.3,14.125 IC6.9@37.95,14.125
PA3V7: IC1.84 IC6.10 | length 10.5
  Top Layer w0.2: v1(31.005,12.675) IC1.84@32.047,12.675
  Bottom Layer w0.2: v1(31.005,12.675) 31.88,11.8 33.45,11.8 36.275,14.625 36.554,14.625 IC6.10@38.95,14.625
PA5V0: IC4.24 IC6.18 J2.62 | length 11.3
  Top Layer w0.15: IC4.24@35.9,11.475 38.605,11.475 39.928,12.798 42.824,12.798 v1(42.877,12.851)
  Bottom Layer w0.15: IC6.18@40.45,11.125 41.134,11.125 42.809,12.8 J2.62@43.545,12.8
PA5V1: IC4.23 IC6.17 J2.60 | length 14.1
  Top Layer w0.15: IC4.23@35.9,12.125 38.76,12.125 39.936,13.301 44.502,13.301 v1(44.602,13.201)
  Bottom Layer w0.15: IC6.17@40.45,11.625 41.015,11.625 42.691,13.301 43.081,13.301 43.182,13.2 v1(44.602,13.201)
PA5V2: IC4.22 IC6.16 J2.58 | length 14.5
  Top Layer w0.15: IC4.22@35.9,12.775 38.915,12.775 39.766,13.626 44.251,13.626 44.5,13.875 v1(44.85,13.875)
  Bottom Layer w0.15: IC6.16@40.45,12.125 41.029,12.125 42.507,13.603 43.542,13.603 J2.58@43.545,13.6 44.226,13.6 44.501,13.875 v1(44.85,13.875)
PA5V3: IC4.21 IC6.15 J2.56 | length 14.7
  Top Layer w0.15: IC4.21@35.9,13.425 39.07,13.425 39.62,13.975 44.151,13.975 v1(44.827,14.651)
  Bottom Layer w0.15: IC6.15@40.45,12.625 41.034,12.625 42.409,14 J2.56@43.545,14 44.176,14 v1@44.827,14.651
PA5V4: IC4.20 IC6.14 J2.54 | length 13.6
  Top Layer w0.15: IC4.20@35.9,14.075 39.225,14.075 39.45,14.3 43.602,14.3 v1(44.303,15.001)
  Bottom Layer w0.15: IC6.14@40.45,13.125 41.039,13.125 42.316,14.402 J2.54@43.547,14.402 ; J2.54@43.545,14.4 44.025,14.4 44.273,14.648 44.273,14.97 v1(44.303,15.001)